# Altium PCB PCB1.PcbDoc
Units mm, origin at the board's own origin, x right, y up, seen from the top; angles counter-clockwise.
Board outline 152.4 x 101.6 mm, 2 copper layers (Top Layer, Bottom Layer); 55 components, 62 nets, 229 pads, 19 vias.
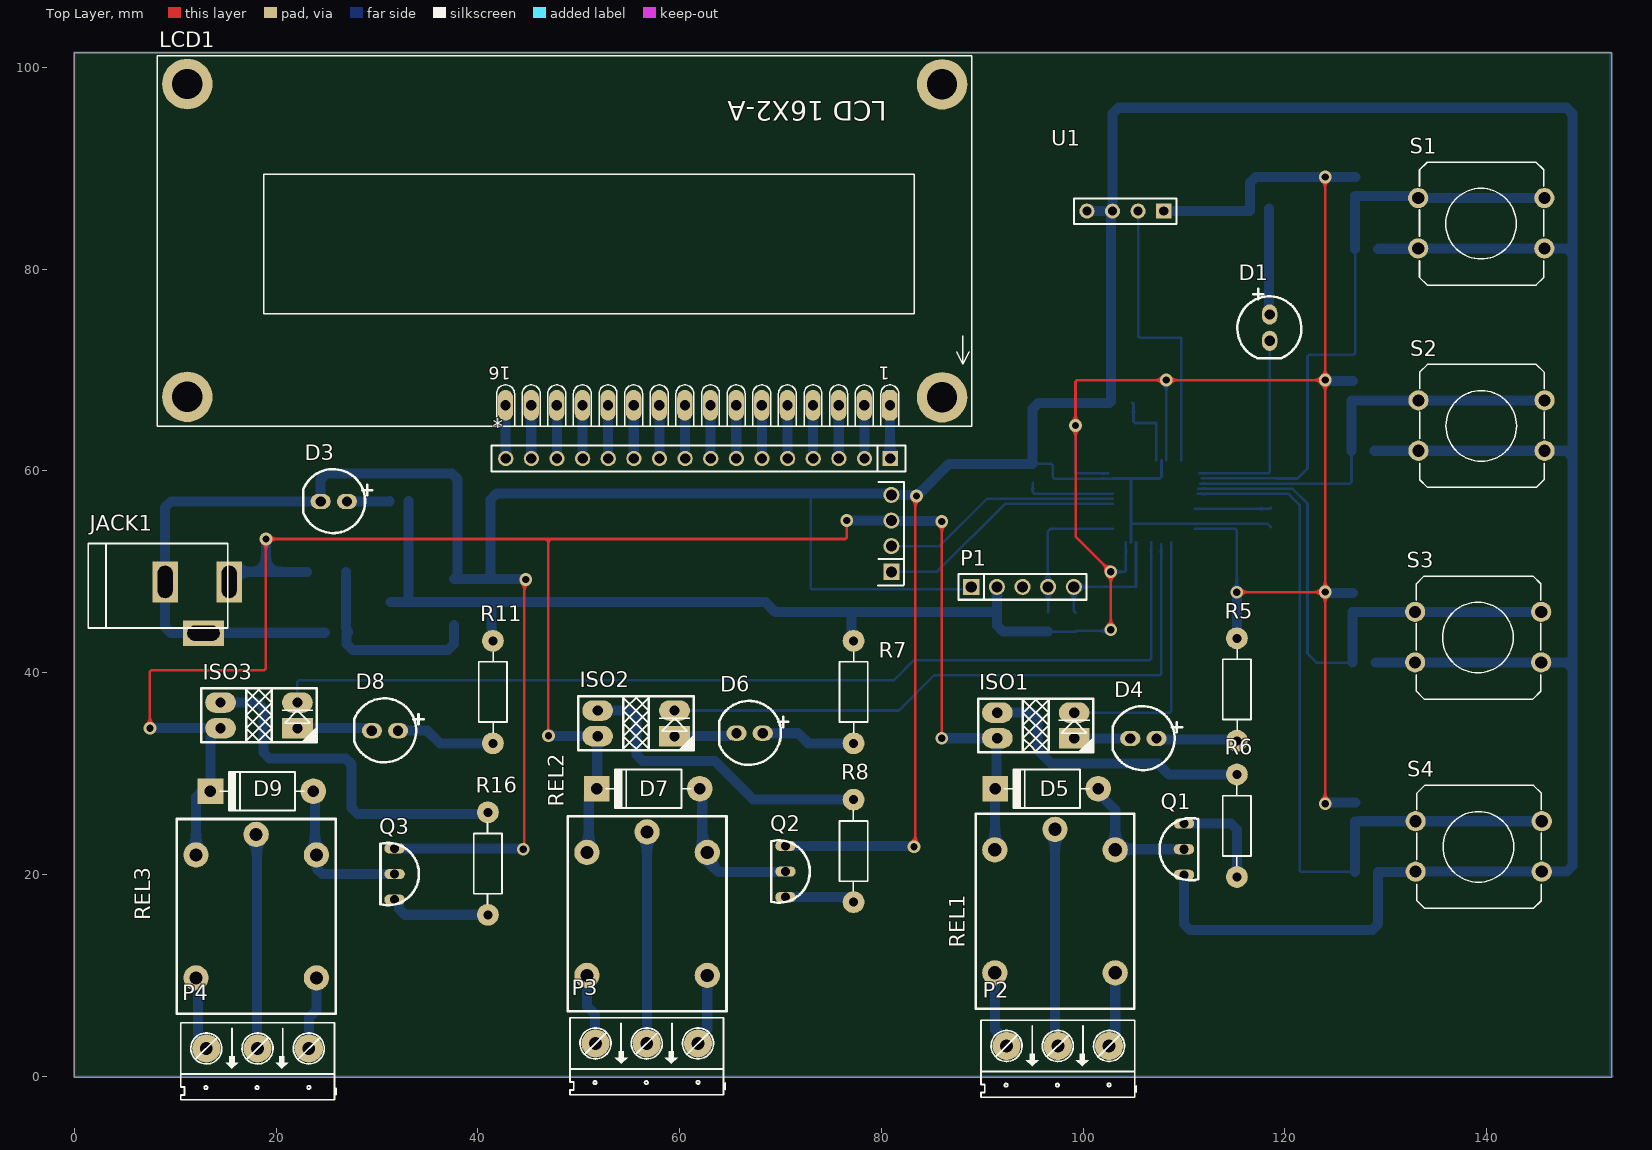
[diagram p0: Top Layer view]
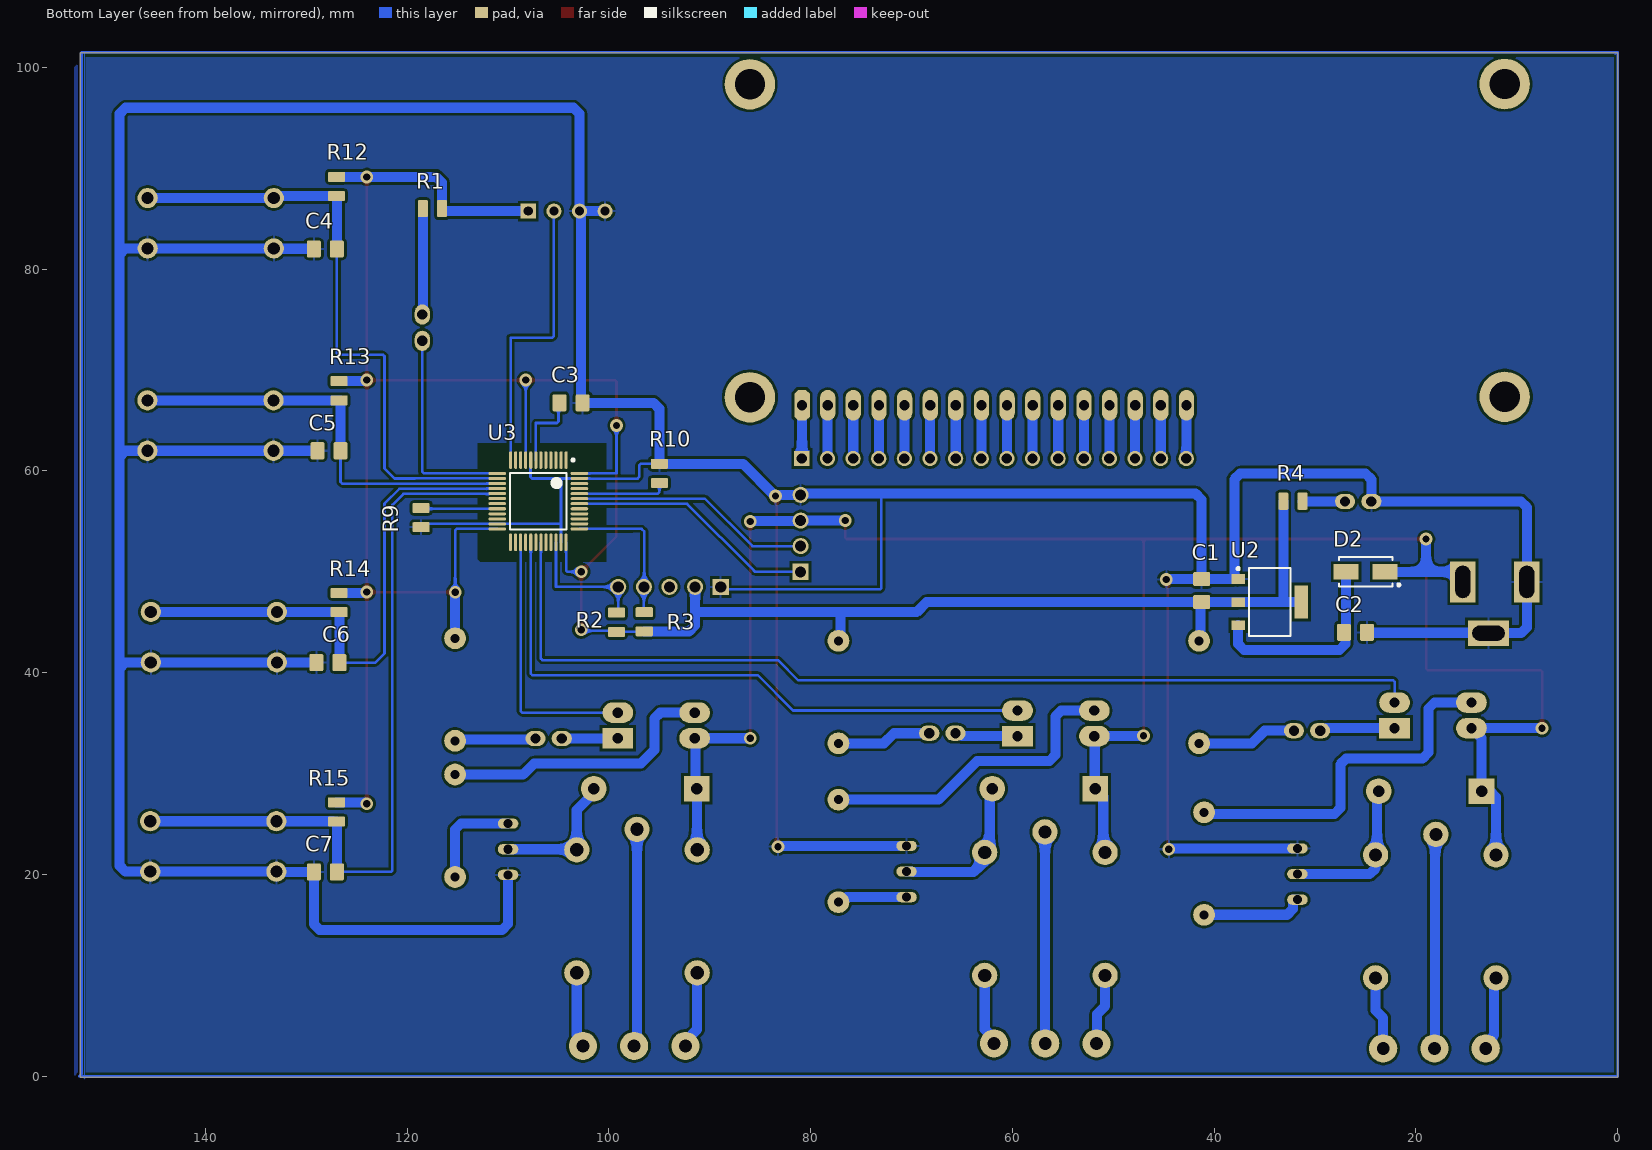
[diagram p1: Bottom Layer view, seen from below]

## Layer stack, top to bottom
Top Solder: solder mask 0.0102, Solder Resist, Dk 3.5
Top Layer: signal copper 0.0356
Dielectric 1: dielectric 0.32, FR-4, Dk 4.8
Bottom Layer: signal copper 0.0356
Bottom Solder: solder mask 0.0102, Solder Resist, Dk 3.5

## Board outline
0,-0.127 152.4,-0.127 152.4,101.473 0,101.473

## Design rules (kind name [scope] priority, off if disabled: settings)
Clearance [All] p1: gap=0.254 ignorepadtopadclearanceinfootprint=FALSE except(0: Arc-Hole Track-Hole SMDPad-Hole THPad-Hole Via-Hole Fill-Hole Poly-Hole Region-Hole Text-Hole)
PolygonConnect [All] p1: connectstyle=Relief reliefconductorwidth=0.254 reliefentries=4 polygonreliefangle="90 Angle" airgapwidth=0.254
RoutingVias [All] p1: holewidth=0.711 width=1.27 viastyle="Through Hole" minholewidth=0.711 minwidth=1.27 maxholewidth=0.711 maxwidth=1.27
SolderMaskExpansion [All] p1: expansion=0.102 istentingtop=FALSE
Width [All] p1: maxlimit=1 minlimit=0.254 preferedwidth=1 toplayer_prefwidth=0.254 minimp=50.000000 maximp=50.000000 favimp=50.000000
30 further rules are at their usual default settings.

## Components (designator, comment, footprint, x,y, rotation, side; value= is the part's Value field where it differs from the comment)
* "module i2c" module_i2c 41.274,43.802 r0 top
C1 "100uF" CAP_0805 41.25,48.143 r90 bottom
C2 "100uF" CAP_0805 26,44 r180 bottom
C3 "C0805" CAP_0805 103.75,66.75 r0 bottom
C4 "C0805" CAP_0805 128.107,82 r0 bottom
C5 "C0805" CAP_0805 127.75,62 r0 bottom
C6 "C0805" CAP_0805 127.857,41 r0 bottom
C7 "C0805" CAP_0805 128.107,20.25 r0 bottom
D1 "LED" "LED5MM RED" 118.475,74.225 r270 top
D2 "DIODE" "DIODE SMA" 25,50 r0 bottom
D3 "LED" "LED5MM RED" 25.75,57 r180 top
D4 "LED" "LED5MM RED" 106,33.5 r180 top
D5 "DIODE" "DIODE DIP" 91.3,28.5 r0 top
D6 "LED" "LED5MM RED" 66.975,34.025 r180 top
D7 "DIODE" "DIODE DIP" 51.8,28.5 r0 top
D8 "LED" "LED5MM RED" 30.825,34.275 r180 top
D9 "DIODE" "DIODE DIP" 13.5,28.25 r0 top
ISO1 "OPTO" "PC817 DIP" 99.12,38.58 r270 top value=TLP5211
ISO2 "OPTO" "PC817 DIP" 59.5,38.79 r270 top value=TLP5211
ISO3 "OPTO" "PC817 DIP" 22.12,39.58 r270 top value=TLP5211
JACK1 "JACK DC" "JACK DC" 12.175,46.46 r0 top value="Jac DC"
LCD1 "LCD 16x2" "LCD 16x2-A" 80.85,66.5 r180 top
P1 "Header 5" "JP 1X5 DT" 88.92,48.5 r0 top
P2 "CON 3 EDG5.08" "Con 3 KF301 5.08" 95.849,2.111 r180 top
P3 "CON 3 EDG5.08" "Con 3 KF301 5.08" 55.099,2.361 r180 top
P4 "CON 3 EDG5.08" "Con 3 KF301 5.08" 16.519,1.861 r180 top
Q1 "NPN-TO92" TO-92 110,22.5 r90 top
Q2 "NPN-TO92" TO-92 70.5,20.29 r270 top
Q3 "NPN-TO92" TO-92 31.75,20.04 r270 top
R1 "R0805" RES_0805 117.5,86 r0 bottom
R2 "R0805" RES_0805 99.25,45 r90 bottom
R3 "R0805" RES_0805 96.5,45.05 r90 bottom
R4 "R0805" RES_0805 32.2,57 r180 bottom
R5 "1k" RESISTOR 115.25,33.25 r90 top value="R1/4W - 1K"
R6 "1k" RESISTOR 115.25,29.91 r270 top value="R1/4W - 1K"
R7 "1k" RESISTOR 77.25,33 r90 top value="R1/4W - 1K"
R8 "1k" RESISTOR 77.25,27.41 r270 top value="R1/4W - 1K"
R9 "R0805" RES_0805 118.618,55.372 r90 bottom
R10 "R0805" RES_0805 95,59.75 r270 bottom
R11 "1k" RESISTOR 41.5,33 r90 top value="R1/4W - 1K"
R12 "R0805" RES_0805 127,88.2 r90 bottom
R13 "R0805" RES_0805 126.75,67.95 r90 bottom
R14 "R0805" RES_0805 126.75,46.95 r90 bottom
R15 "R0805" RES_0805 127,26.2 r90 bottom
R16 "1k" RESISTOR 41,26.16 r270 top value="R1/4W - 1K"
REL1 "RELAY 5V 10A" "RELAY 5V-10A" 97.219,24.474 r180 top
REL2 "RELAY 5V 10A" "RELAY 5V-10A" 56.781,24.224 r180 top
REL3 "RELAY 5V 10A" "RELAY 5V-10A" 18.031,23.974 r180 top
S1 "SWITCH" "SW 4PIN 12x12x7" 133.223,87.054 r0 top
S2 "SWITCH" "SW 4PIN 12x12x7" 133.25,67 r0 top
S3 "SWITCH" "SW 4PIN 12x12x7" 132.915,46.025 r0 top
S4 "SWITCH" "SW 4PIN 12x12x7" 132.969,25.273 r0 top
U1 "DHT22" DHT22 108,85.75 r180 top
U2 "AMS1117" "SOT223 - 3 LEAD" 34.5,47 r180 bottom
U3 "STM32F103C8T6-LQFP48" "LQFP 48 PIN" 107,57 r270 bottom

## Footprints (in the part's own frame and the unit in brackets; to place one, negate y for a bottom-side part, rotate by r counter-clockwise, add the part's x,y. Pads: shape width x height; smd on the part's side, far side on the other; paste and mask are expansions set on the pad)
CAP_0805 [mm]
  rrect25% 1.4x1.7 smd: 1(-1.143,0) 2(1.143,0)
  body extent -1.15,-0.76 1.15,0.79, height 1.01
"Con 3 KF301 5.08" [mil]
  round 110 hole 50: 1(-265,-35) 2(-65,-35) 3(135.06,-34.94)
  silkscreen extent -371,-135 235,165, body extent -369,-193 235,106, height 146
DHT22 [mm]
  rect 1.5x1.5 hole 0.9: 1(0,0)
  round 1.5 hole 0.9: 2(2.54,0) 3(5.08,0) 4(7.62,0)
  silkscreen extent -1.27,-1.27 8.89,1.27, body extent -4.05,-5.74 11.42,2.41, height 32.57
"DIODE DIP" [mil] "Diode 2A, W 150mil, L 450mil"
  round 100 hole 45: 1(401.57,0)
  rect 100x100 hole 45: 2(0,0)
  silkscreen extent 36,-75 366,75, body extent -15,-50 415,51, height 100
"DIODE SMA" [mm]
  rect 2.45x1.5 smd: 1(-1.925,0) 2(1.925,0)
  silkscreen extent -3.42,-1.45 2.65,1.45, body extent -2.8,-1.48 2.8,1.47, height 2.7
"JACK DC" [mil] "Jac DC input"
  rect 100x160 hole 59.06 slot 125.98 at 90 deg: 1(125,100) 2(-125,100)
  rect 160x100 hole 59.06 slot 125.98 at 0 deg: 3(25,-100)
  silkscreen extent -425,-80 120,250, body extent -410,-105 134,269, height 434
"JP 1X5 DT" [mm] "5 pins, 1 row, straight, gold plating"
  rect 1.6x1.6 hole 1.1: 1(0,0)
  round 1.6 hole 1.1: 2(2.54,0) 3(5.08,0) 4(7.62,0) 5(10.16,0)
  silkscreen extent -1.27,-1.27 11.43,1.27, body extent -1.27,-1.27 11.43,1.27, height 8.54
"LCD 16x2-A" [mil] "Pantalla LCD 16 caracteres x 2 Lineas, conexion superior"
  round 196.85 hole 118.11: 0(-203.74,-31.5) 0(-203.74,-1252.95) 0(2742.13,-1253.94) 0(2742.13,-33.46)
  oct 60x120 hole 40: 1(0,0)
  oval 60x120 hole 40: 2(100,0) 3(200,0) 4(300,0) 5(400,0) 6(500,0) 7(600,0) 8(700,0) 9(800,0) 10(900,0) 11(1000,0) 12(1100,0) 13(1200,0) 14(1300,0) 15(1400,0) 16(1500,0)
  silkscreen extent -320,-1365 2859,82, body extent -315,-1357 2854,80, height 762
"LED5MM RED" [mm] "Led de 5mm rojo"
  oval 2x1.5 hole 1.016: 1(-1.275,0.025) 2(1.325,0.025)
  silkscreen extent -3.81,-3.18 3.05,3.16, body extent -2.89,-2.88 2.54,3.14, height 12.31
"LQFP 48 PIN" [mm] "TSQFP, 48-Leads, Body 9.2x9.2mm (max), Pitch 0.50mm, IPC Medium Density"
  oval 1.75x0.3 smd: 1(-4.075,2.75) 2(-4.075,2.25) 3(-4.075,1.75) 4(-4.075,1.25) 5(-4.075,0.75) 6(-4.075,0.25) 7(-4.075,-0.25) 8(-4.075,-0.75) 9(-4.075,-1.25) 10(-4.075,-1.75) 11(-4.075,-2.25) 12(-4.075,-2.75) 25(4.075,-2.75) 26(4.075,-2.25) 27(4.075,-1.75) 28(4.075,-1.25) 29(4.075,-0.75) 30(4.075,-0.25) 31(4.075,0.25) 32(4.075,0.75) 33(4.075,1.25) 34(4.075,1.75) 35(4.075,2.25) 36(4.075,2.75)
  oval 0.3x1.75 smd: 13(-2.75,-4.075) 14(-2.25,-4.075) 15(-1.75,-4.075) 16(-1.25,-4.075) 17(-0.75,-4.075) 18(-0.25,-4.075) 19(0.25,-4.075) 20(0.75,-4.075) 21(1.25,-4.075) 22(1.75,-4.075) 23(2.25,-4.075) 24(2.75,-4.075) 37(2.75,4.075) 38(2.25,4.075) 39(1.75,4.075) 40(1.25,4.075) 41(0.75,4.075) 42(0.25,4.075) 43(-0.25,4.075) 44(-0.75,4.075) 45(-1.25,4.075) 46(-1.75,4.075) 47(-2.25,4.075) 48(-2.75,4.075)
  silkscreen extent -4.2,-2.8 2.8,3.57, body extent -4.5,-4.5 4.5,4.5, height 1.45
module_i2c [mm]
  rect 1.52x1.52 hole 1.02: 1(39.599,17.424)
  round 1.52 hole 1.02: 2(37.059,17.424) 3(34.519,17.424) 4(31.979,17.424) 5(29.439,17.424) 6(26.899,17.424) 7(24.359,17.424) 8(21.819,17.424) 9(19.279,17.424) 10(16.739,17.424) 11(14.199,17.424) 12(11.659,17.424) 13(9.119,17.424) 14(6.579,17.424) 15(4.039,17.424) 16(1.499,17.424)
  round 1.6 hole 1.1: 17(39.726,13.818) 18(39.726,11.278) 19(39.726,8.738)
  rect 1.6x1.6 hole 1.1: 20(39.726,6.198)
  silkscreen extent 0.08,4.85 41.12,18.69, body extent -0.03,0.18 41.57,19.34, height 9.34
"PC817 DIP" [mil]
  rect 80x120 hole 40: 1(200,0)
  oval 80x120 hole 40: 2(100,0) 3(100,-300) 4(200,-300)
  silkscreen extent 45,-375 258,78, body extent 60,-305 240,5, height 169
"RELAY 5V-10A" [mm]
  round 2.5 hole 1.3: 1(0,0) 2(-5.969,14.224) 3(5.969,14.224) 4(-5.969,2.032) 5(5.969,2.032)
  silkscreen extent -7.87,-1.52 7.87,17.78, body extent -7.75,-1.4 7.75,17.7, height 15.3
RES_0805 [mm]
  rrect25% 1x1.7 smd: 1(-0.95,0) 2(0.95,0)
  body extent -1,-0.63 1,0.63, height 0.47
RESISTOR [mil] "R 1/2W, 2 pin, 300mil"
  round 85 hole 35: 1(0,0) 2(400,0)
  silkscreen extent 42,-55 356,55, body extent -12,-45 414,49, height 91
"SOT223 - 3 LEAD" [mm] "SOT223, 4-Leads, Body 6.7x6.7mm (max), Pitch 2.29mm, IPC Medium Density"
  rect 1.35x0.95 smd: 1(-3.125,2.29) 2(-3.125,0) 3(-3.125,-2.29)
  rect 1.35x3.3 smd: 4(3.125,0)
  silkscreen extent -3.25,-3.35 2.05,3.44, body extent -3.54,-3.25 3.54,3.25, height 1.65
"SW 4PIN 12x12x7" [mm]
  round 2 hole 1.2: 1(0,0) 1(12.5,0) 2(0,-5) 2(12.5,-5)
  silkscreen extent 0.13,-8.64 12.45,3.56, body extent -0.66,-8.54 13.21,3.46, height 8.5
TO-92 [mil] "TO, Flat Index; 3 In-Line, Axial Leads; Body Dia. 4.8mm"
  oval 40x80 hole 35.43: 1(-100,0) 2(0,0) 3(100,0)
  silkscreen extent -121,-55 121,95, body extent -110,-70 110,85, height 402

## Part data
C1 C2: library part CAPACITOR
C3 C4 C5 C6 C7: library part CAP_0805, "Capacitor SMD 0805"
P2 P3 P4: "Cắm", Chung_Loai=Cắm, Don_Vi=Con, Ma_Hang=MH000760, Ten_Linh_Kien="CON 3 2EDG5.08-3P 5.08MM ( Xanh Cong)"
R1 R2 R3 R4 R9 R10 R12 R13 R14 R15: library part RES_0805, "Resistor SMD 0805"
R5 R6 R7 R8 R11 R16: library part RESISTOR
P1: LatestRevisionDate=17-Jul-2002, LatestRevisionNote="Re-released for DXP Platform.", Publisher="Altium Limited"
S1 S2 S3 S4: LatestRevisionDate=17-Jul-2002, LatestRevisionNote="Re-released for DXP Platform.", PackageReference=SPST-2, Published=24-Mar-1999, Publisher="Altium Limited"
U3: ComponentLink1Description="Manufacturer Link", ComponentLink1URL=www.st.com/stm32, ComponentLink2Description=Datasheet, ComponentLink2URL=http://www.st.com/stonline/products/literature/ds/13586.pdf, DatasheetVersion="rev6, Mar-2008", PackageDescription="48-Pin Low-Profile Quad Flat Pack, 7 x 7 mm Body, 0.5 mm Pitch (LQFP48)", PackageReference=LQFP48, PackageVersion=Mar-2008, Published=30-May-2008, Publisher="Altium Limited"

## Via types
v1: diameter 1.27, hole 0.711, Top Layer to Bottom Layer, 19 vias

## Nets (pads, with @x,y where several pads share a name; then routed paths per layer and width w, separated by ;. In a path a pad name is that pad's centre, name@x,y a point inside that pad or via, vN(x,y) a via of type N, cw(c..) or ccw(c..) an arc to the next point about the centre after c; other vN are vias at no path point)
+3.3V: C1.1 P1.2 R1.1 R2.1 R3.1 R4.1 R5.2 R7.2 R11.2 R12.2 R13.2 R14.2 R15.2 U1.1 U2.2 U2.4 U3.9 U3.24 U3.36 U3.48 | length 279.5
  Top Layer w0.254: v1(102.75,44.25) v1(102.75,50) 99.263,53.487 99.263,64.487 v1(99.25,64.5) 99.25,68.851 99.399,69 v1(108.25,69) v1(124,69) ; v1(115.24,47.981) 115.25,47.99 123.99,47.99 v1(124,48) ; v1(124,27) v1(124,48) ; v1(124,89.15) v1(124,69) ; v1(124,48) v1(124,69)
  Bottom Layer w0.254: R3.1 96.525,44.075 99.225,44.075 R2.1 99.35,44.15 102.65,44.15 v1(102.75,44.25) ; v1(99.25,64.5) 99.25,59.75 U3.48@102.5,59.75 ; v1(102.75,50) 104.101,50 104.25,50.149 U3.36 ; U3.9 108.25,66 ; 108.25,66 v1(108.25,69) ; U3.24 113.233,54.254 115.091,54.254 115.24,54.106 v1(115.24,47.981)
  Bottom Layer w1: U2.4 33,47 ; R4.1 33.15,47.15 33,47 ; C1.1 U2.2 33,47 ; R11.2 41.375,43.285 41.375,46.975 41.4,47 68.5,47 69.5,46 76.75,46 ; R7.2 77.028,43.382 77.028,45.722 76.75,46 ; P1.2 91.46,46 ; R3.1 92.046,44.1 91.46,44.686 91.46,46 ; U1.1 116.55,85.75 R1.1 116.55,88.564 117.136,89.15 v1(124,89.15) 126.135,89.15 R12.2 ; v1(115.24,47.981) 115.245,47.975 115.245,44.415 R5.2@115.25,44.41 ; v1(124,27) 124.073,27 124.223,27.15 R15.2 ; v1(124,48) 124.073,48 124.173,47.9 R14.2 ; v1(124,69) 124.073,69 124.173,68.9 R13.2 ; 76.75,46 91.46,46
+5: *.18 D2.1 D5.2 D7.2 D9.2 ISO1.4 ISO2.4 ISO3.4 JACK1.1 REL1.5 REL2.5 REL3.5 | length 205.6
  Top Layer w0.254: v1(7.5,34.5) 7.5,40.101 7.649,40.25 18.851,40.25 19,40.399 v1(19,53.25) 47,53.25 ; v1(47,33.75) 47,53.25 ; v1(76.58,55.08) 76.58,53.399 76.431,53.25 47,53.25 ; v1(86,33.5) v1(86,55)
  Bottom Layer w1: v1(7.5,34.5) ISO3.4@14.271,34.5 ; REL3.5 12.062,27.664 12.648,28.25 D9.2 13.5,33.5 13.795,33.795 13.795,34.023 ISO3.4@14.271,34.5 ; ISO3.4 ISO3.4@14.271,34.5 ; JACK1.1 15.35,49.23 16.12,50 19,50 ; v1(19,53.25) 19,50 ; D2.1 19,50 ; v1@47.25,33.75 47.29,33.71 ISO2.4 51.84,33.67 51.84,28.54 51,27.7 51,22.38 REL2.5 ; v1(76.58,55.08) *.18 81.04,55.04 85.96,55.04 v1(86,55) ; v1(86,33.5) ISO1.4 91.4,33.4 91.4,28.6 D5.2 91.275,28.475 91.275,22.467 REL1.5
BACK: C6.1 R14.1 S3.1 U3.16 | length 54.9
  Bottom Layer w0.254: U3.16@111.404,58.234 120.766,58.234 122.25,56.75 122.25,41.899 123.149,41 C6.1
  Bottom Layer w1: C6.1 126.714,46 R14.1 132.89,46 132.915,46.025 S3.1@145.415,46.025
DHT11: U1.2 U3.12 | length 28.9
  Bottom Layer w0.254: U1.2 105.46,73.361 105.609,73.213 109.75,73.213 U3.12
DOWN: C5.1 R13.1 S2.1 U3.15 | length 42.3
  Bottom Layer w0.254: U3.15@111.608,58.742 126.434,58.742 126.607,58.915 C5.1
  Bottom Layer w1: C5.1 126.607,67 R13.1 133.25,67 S2.1@145.75,67
GND: *.17 C1.2 C2.2 C3.1 C4.2 C5.2 C6.2 C7.2 D3.2 JACK1.2 JACK1.3 P1.1 Q1.1 Q2.1 Q3.1 R9.1 R10.1 S1.2 S2.2 S3.2 S4.2 U1.3 U1.4 U2.1 U3.8 U3.23 U3.35 U3.47 | length 562.1
  Top Layer w0.254: v1(44.5,22.5) 44.625,22.625 44.625,49.125 v1(44.75,49.25) ; v1(83.25,22.75) 83.375,22.875 83.375,57.375 v1(83.5,57.5)
  Bottom Layer w0.254: 73,57.75 73,48.399 73.149,48.25 88.67,48.25 P1.1 ; R10.1 96.854,60.7 97.003,60.551 97.003,59.407 97.168,59.242 U3.47@102.925,59.242 ; U3.47 107.623,59.25 107.772,59.399 U3.8@107.772,61.075 ; U3.35 104.75,54.75 ; 104.75,59.25 104.75,54.75 ; R9.1 118.278,54.762 112.121,54.762 112.108,54.75 U3.23 104.75,54.75
  Bottom Layer w1: C2.2 24.817,43.96 12.85,43.96 JACK1.3 9.586,43.92 9,44.506 JACK1.2 9,56.389 9.586,56.975 D3.2 24.425,59.164 25.011,59.75 37.414,59.75 38,59.164 38,49.665 37.8,49.465 37.8,49.315 37.775,49.29 U2.1 ; Q3.1 v1@44.25,22.58 ; U2.1@38,49.288 41.248,49.288 C1.2 ; v1(44.75,49.25) 44.714,49.286 C1.2 ; Q2.1 83.097,22.83 83.177,22.75 v1(83.25,22.75) ; v1@83.307,57.62 *.17 80.885,57.735 80.461,57.735 80.446,57.75 73,57.75 41.836,57.75 41.25,57.164 C1.2 ; v1(83.5,57.5) 86.7,60.7 R10.1 95,66.164 95.586,66.75 C3.1 102.75,66.893 102.75,85.445 102.92,85.615 U1.3 ; U1.4 U1.3 ; Q1.1 110,15.086 110.586,14.5 128.664,14.5 129.25,15.086 C7.2 129.262,20.262 132.957,20.262 132.969,20.273 145.469,20.273 147.914,20.273 148.5,20.859 148.5,40.439 ; C5.2 133.25,62 145.75,62 147.914,62 148.5,61.414 ; C6.2 129.012,41.013 132.903,41.013 132.915,41.025 145.415,41.025 147.914,41.025 148.5,40.439 ; C4.2 129.277,82.027 133.196,82.027 133.223,82.054 145.723,82.054 147.914,82.054 148.5,81.468 ; U1.3 102.92,95.414 103.506,96 147.914,96 148.5,95.414 148.5,81.468 ; 148.5,40.439 148.5,61.414 ; 148.5,61.414 148.5,81.468
LED: D1.2 U3.13 | length 20
  Bottom Layer w0.254: U3.13@111.506,59.758 118.351,59.758 118.5,59.907 D1.2
Net*_1: *.1 LCD1.1 | length 5.3
  Bottom Layer w1: LCD1.1 80.861,66.489 80.861,61.238 *.1
Net*_2: *.2 LCD1.2 | length 5.3
  Bottom Layer w1: LCD1.2 78.321,66.489 78.321,61.238 *.2
Net*_3: *.3 LCD1.3 | length 5.3
  Bottom Layer w1: LCD1.3 75.781,66.489 75.781,61.238 *.3
Net*_4: *.4 LCD1.4 | length 5.3
  Bottom Layer w1: LCD1.4 73.241,66.489 73.241,61.238 *.4
Net*_5: *.5 LCD1.5 | length 5.3
  Bottom Layer w1: LCD1.5 70.701,66.489 70.701,61.238 *.5
Net*_6: *.6 LCD1.6 | length 5.3
  Bottom Layer w1: LCD1.6 68.161,66.489 68.161,61.238 *.6
Net*_7: *.7 LCD1.7 | length 5.3
  Bottom Layer w1: LCD1.7 65.621,66.489 65.621,61.238 *.7
Net*_8: *.8 LCD1.8 | length 5.3
  Bottom Layer w1: LCD1.8 63.081,66.489 63.081,61.238 *.8
Net*_9: *.9 LCD1.9 | length 5.3
  Bottom Layer w1: LCD1.9 60.541,66.489 60.541,61.238 *.9
Net*_10: *.10 LCD1.10 | length 5.3
  Bottom Layer w1: LCD1.10 58.001,66.489 58.001,61.238 *.10
Net*_11: *.11 LCD1.11 | length 5.3
  Bottom Layer w1: LCD1.11 55.461,66.489 55.461,61.238 *.11
Net*_12: *.12 LCD1.12 | length 5.3
  Bottom Layer w1: LCD1.12 52.921,66.489 52.921,61.238 *.12
Net*_13: *.13 LCD1.13 | length 5.3
  Bottom Layer w1: LCD1.13 50.381,66.489 50.381,61.238 *.13
Net*_14: *.14 LCD1.14 | length 5.3
  Bottom Layer w1: LCD1.14 47.841,66.489 47.841,61.238 *.14
Net*_15: *.15 LCD1.15 | length 5.3
  Bottom Layer w1: LCD1.15 45.301,66.489 45.301,61.238 *.15
Net*_16: *.16 LCD1.16 | length 5.3
  Bottom Layer w1: LCD1.16 42.761,66.489 42.761,61.238 *.16
NetC2_1: C2.1 D2.2 U2.3 | length 20.3
  Bottom Layer w1: D2.2 26.925,44.368 27.143,44.15 C2.1 27,43.857 27,42.836 27.586,42.25 37.039,42.25 37.625,42.836 U2.3
NetC3_2: C3.2 U3.7 | length 7.9
  Bottom Layer w0.254: C3.2 105,66.643 105,64.899 105.149,64.75 107.25,64.75 107.25,64 U3.7
NetD1_1: D1.1 R1.2 | length 10.6
  Bottom Layer w0.254: R1.2 R1.2@118.475,85.975
  Bottom Layer w1: R1.2 118.45,75.55 D1.1
NetD3_1: D3.1 R4.2 | length 4.2
  Bottom Layer w1: D3.1 27.037,56.987 31.25,56.987 R4.2
NetD4_1: D4.1 R5.1 | length 8.1
  Bottom Layer w1: D4.1@107.3,33.5 D4.1 107.371,33.379 115.121,33.379 R5.1
NetD4_2: D4.2 ISO1.1 | length 5.6
  Bottom Layer w1: ISO1.1 99.133,33.487 104.663,33.487 D4.2
NetD5_1: D5.1 Q1.2 REL1.4 | length 13.6
  Bottom Layer w1: D5.1 101.5,28.083 103.188,26.395 REL1.4 103.243,22.497 109.997,22.497 Q1.2
NetD6_1: D6.1 R7.1 | length 9.4
  Bottom Layer w1: D6.1 71.75,34 72.75,33 R7.1
NetD6_2: D6.2 ISO2.1 | length 6.3
  Bottom Layer w1: ISO2.1 64.975,33.71 65.265,34 D6.2
NetD7_1: D7.1 Q2.2 REL2.4 | length 15.7
  Bottom Layer w1: D7.1 62.25,28.25 62.25,23.098 62.5,22.848 62.5,22.442 63.037,21.905 63.037,21.082 63.869,20.25 69.948,20.25 69.988,20.29 Q2.2
NetD8_1: D8.1 R11.1 | length 9.9
  Bottom Layer w1: D8.1 35,34.25 36.25,33 R11.1
NetD8_2: D8.2 ISO3.1 | length 7.5
  Bottom Layer w1: ISO3.1 28.865,34.5 29.115,34.25 D8.2
NetD9_1: D9.1 Q3.2 REL3.4 | length 15.7
  Bottom Layer w1: D9.1 23.85,28.1 23.85,22.092 REL3.4 24,20.626 24.586,20.04 Q3.2 Q3.2@31.753,20.043
NetISO1_3: ISO1.3 R6.1 | length 28.1
  Bottom Layer w1: ISO1.3 94.914,36.04 95.5,35.454 95.5,32.336 96.836,31 107.414,31 108.504,29.91 R6.1
NetISO2_3: ISO2.3 R8.1 | length 31.3
  Bottom Layer w1: ISO2.3 55.164,36.25 55.75,35.664 55.75,31.836 56.336,31.25 63.5,31.25 67.34,27.41 R8.1
NetISO3_3: ISO3.3 R16.1 | length 36.2
  Bottom Layer w1: ISO3.3 18.164,37.04 18.75,36.454 18.75,32.086 19.336,31.5 26.914,31.5 27.5,30.914 27.5,26.586 28.086,26 40.84,26 R16.1
NetP2_1: P2.1 REL1.2 | length 7.5
  Bottom Layer w1: P2.1 102.58,3.485 103.188,4.093 REL1.2
NetP2_2: P2.2 REL1.1 | length 21.6
  Bottom Layer w1: REL1.1 97.219,3.281 P2.2
NetP2_3: P2.3 REL1.3 | length 7.7
  Bottom Layer w1: REL1.3 91.25,4.652 92.418,3.484 P2.3
NetP3_1: P3.1 REL2.2 | length 7.1
  Bottom Layer w1: P3.1 61.83,3.735 62.75,4.655 REL2.2
NetP3_2: P3.2 REL2.1 | length 21
  Bottom Layer w1: P3.2 56.766,3.266 56.766,24.208 REL2.1
NetP3_3: P3.3 REL2.3 | length 7.1
  Bottom Layer w1: REL2.3 50.812,6.949 51.615,6.145 51.615,3.302 P3.3
NetP4_1: P4.1 REL3.2 | length 7.3
  Bottom Layer w1: P4.1 23.25,5.771 24,6.521 REL3.2
NetP4_2: P4.2 REL3.1 | length 21.3
  Bottom Layer w1: REL3.1 18.1,23.905 18.1,2.819 P4.2
NetP4_3: P4.3 REL3.3 | length 7.4
  Bottom Layer w1: REL3.3 12.25,9.562 12.25,4.072 13.088,3.234 P4.3
NetQ1_3: Q1.3 R6.2 | length 10.2
  Bottom Layer w1: Q1.3 114.664,25.04 115.25,24.454 R6.2
NetQ2_3: Q2.3 R8.2 | length 7
  Bottom Layer w1: Q2.3 76.436,17.75 76.936,17.25 R8.2
NetQ3_3: Q3.3 R16.2 | length 10.4
  Bottom Layer w1: Q3.3 32.176,17.5 32.184,17.493 32.184,16.586 32.769,16 R16.2
NetR9_2: R9.2 U3.20 | length 7.6
  Bottom Layer w0.254: U3.20 118.546,56.25 R9.2
NetR10_2: R10.2 U3.44 | length 8.9
  Bottom Layer w0.254: R10.2 95,57.907 95.149,57.758 U3.44@102.925,57.758
OK: C7.1 R15.1 S4.1 U3.17 | length 76
  Bottom Layer w0.254: U3.17@111.354,57.726 120.375,57.726 121.461,56.641 121.461,20.399 121.609,20.25 C7.1 C7.1@127.094,20.25
  Bottom Layer w1: C7.1 126.964,25.25 R15.1 127.35,25.25 127.373,25.273 132.969,25.273 S4.1@145.469,25.273
RELAY_1: ISO3.2 U3.31 | length 99.2
  Bottom Layer w0.254: ISO3.2 22.12,39.101 22.269,39.25 81.25,39.25 83.25,41.25 106.601,41.25 106.75,41.399 U3.31
RELAY_2: ISO2.2 U3.29 | length 62.6
  Bottom Layer w0.254: ISO2.2 81.75,36.25 85.25,39.75 107.601,39.75 107.75,39.899 U3.29@107.75,52.75
RELAY_3: ISO1.2 U3.27 | length 26.4
  Bottom Layer w0.254: ISO1.2 108.601,36.04 108.75,36.189 U3.27
SCL: *.20 U3.42 | length 24.7
  Bottom Layer w0.254: *.20 85.5,50 85.625,50.125 92.242,56.742 U3.42@102.925,56.742
SDA: *.19 U3.43 | length 23.9
  Bottom Layer w0.254: *.19 85.79,52.54 90.5,57.25 U3.43
SWCLK: P1.4 R3.2 U3.37 | length 14.6
  Bottom Layer w0.254: R3.2 96.54,46.04 P1.4 96.5,48.54 96.5,54 96.75,54.25 97.649,54.25 U3.37
SWDIO: P1.5 R2.2 U3.34 | length 13.2
  Bottom Layer w0.254: R2.2 99.08,46.12 P1.5 105.25,48.5 U3.34
UP: C4.1 R12.1 S1.1 U3.14 | length 61.3
  Bottom Layer w0.254: U3.14@111.785,59.258 119.25,59.25 121.25,59.25 122.25,60.25 122.25,71.351 122.399,71.5 126.815,71.5 126.964,71.649 C4.1
  Bottom Layer w1: C4.1 126.964,87.25 R12.1 132.756,87.25 132.952,87.054 133.223,87.054 S1.1@145.723,87.054
pads on no net: LCD1.0 P1.3 U3.1 U3.2 U3.3 U3.4 U3.5 U3.6 U3.10 U3.11 U3.18 U3.19 U3.21 U3.22 U3.25 U3.26 U3.28 U3.30 U3.32 U3.33 U3.38 U3.39 U3.40 U3.41 U3.45 U3.46
copper on no net: | length 507.9
  Bottom Layer w0.254: 0,0 0,101.5 152.25,101.5 152.25,0.25 152.5,0 0,0

## Polygon pours and split planes (outlines as drawn)
GND on Bottom Layer "GND_L02_P002" (solid, pour order 2): 0,0 0,101 152,101 153,100 153,0
GND on Bottom Layer "NONET_L02_P000" (solid, remove dead copper, shelved, pour order 0): 0.25,101.25 0.5,101.5 152,101.5 152,-0.25 151.75,0 0,0 0,101.25 0.25,101.5

## Other copper
Bottom Layer:
  pour cut-out: 100.25,62.75 113,62.75 113,51.25 112.75,51 100.25,51

## Text inside footprints (layer, text, board x,y; h text height)
LCD1: Top Overlay "1" at 80.85,70.31 h1.27 r180; Top Overlay "16" at 43.258,70.31 h1.27 r180; Top Overlay "LCD 16X2-A" at 80.55,96.625 h1.91 r180